# Altium PCB back3_STM32F405.PcbDoc (part 4 of 4)
Units mil, origin at the board's own origin, x right, y up, seen from the top; angles counter-clockwise.
Board outline 3543.31 x 3543.31 mil, 4 copper layers (Top Layer, GND02, PWR03, Bottom Layer), stack 29.268 mil thick; 190 components, 150 nets, 1254 pads, 520 vias.
Unrouted connection lines stored in the file: 169.
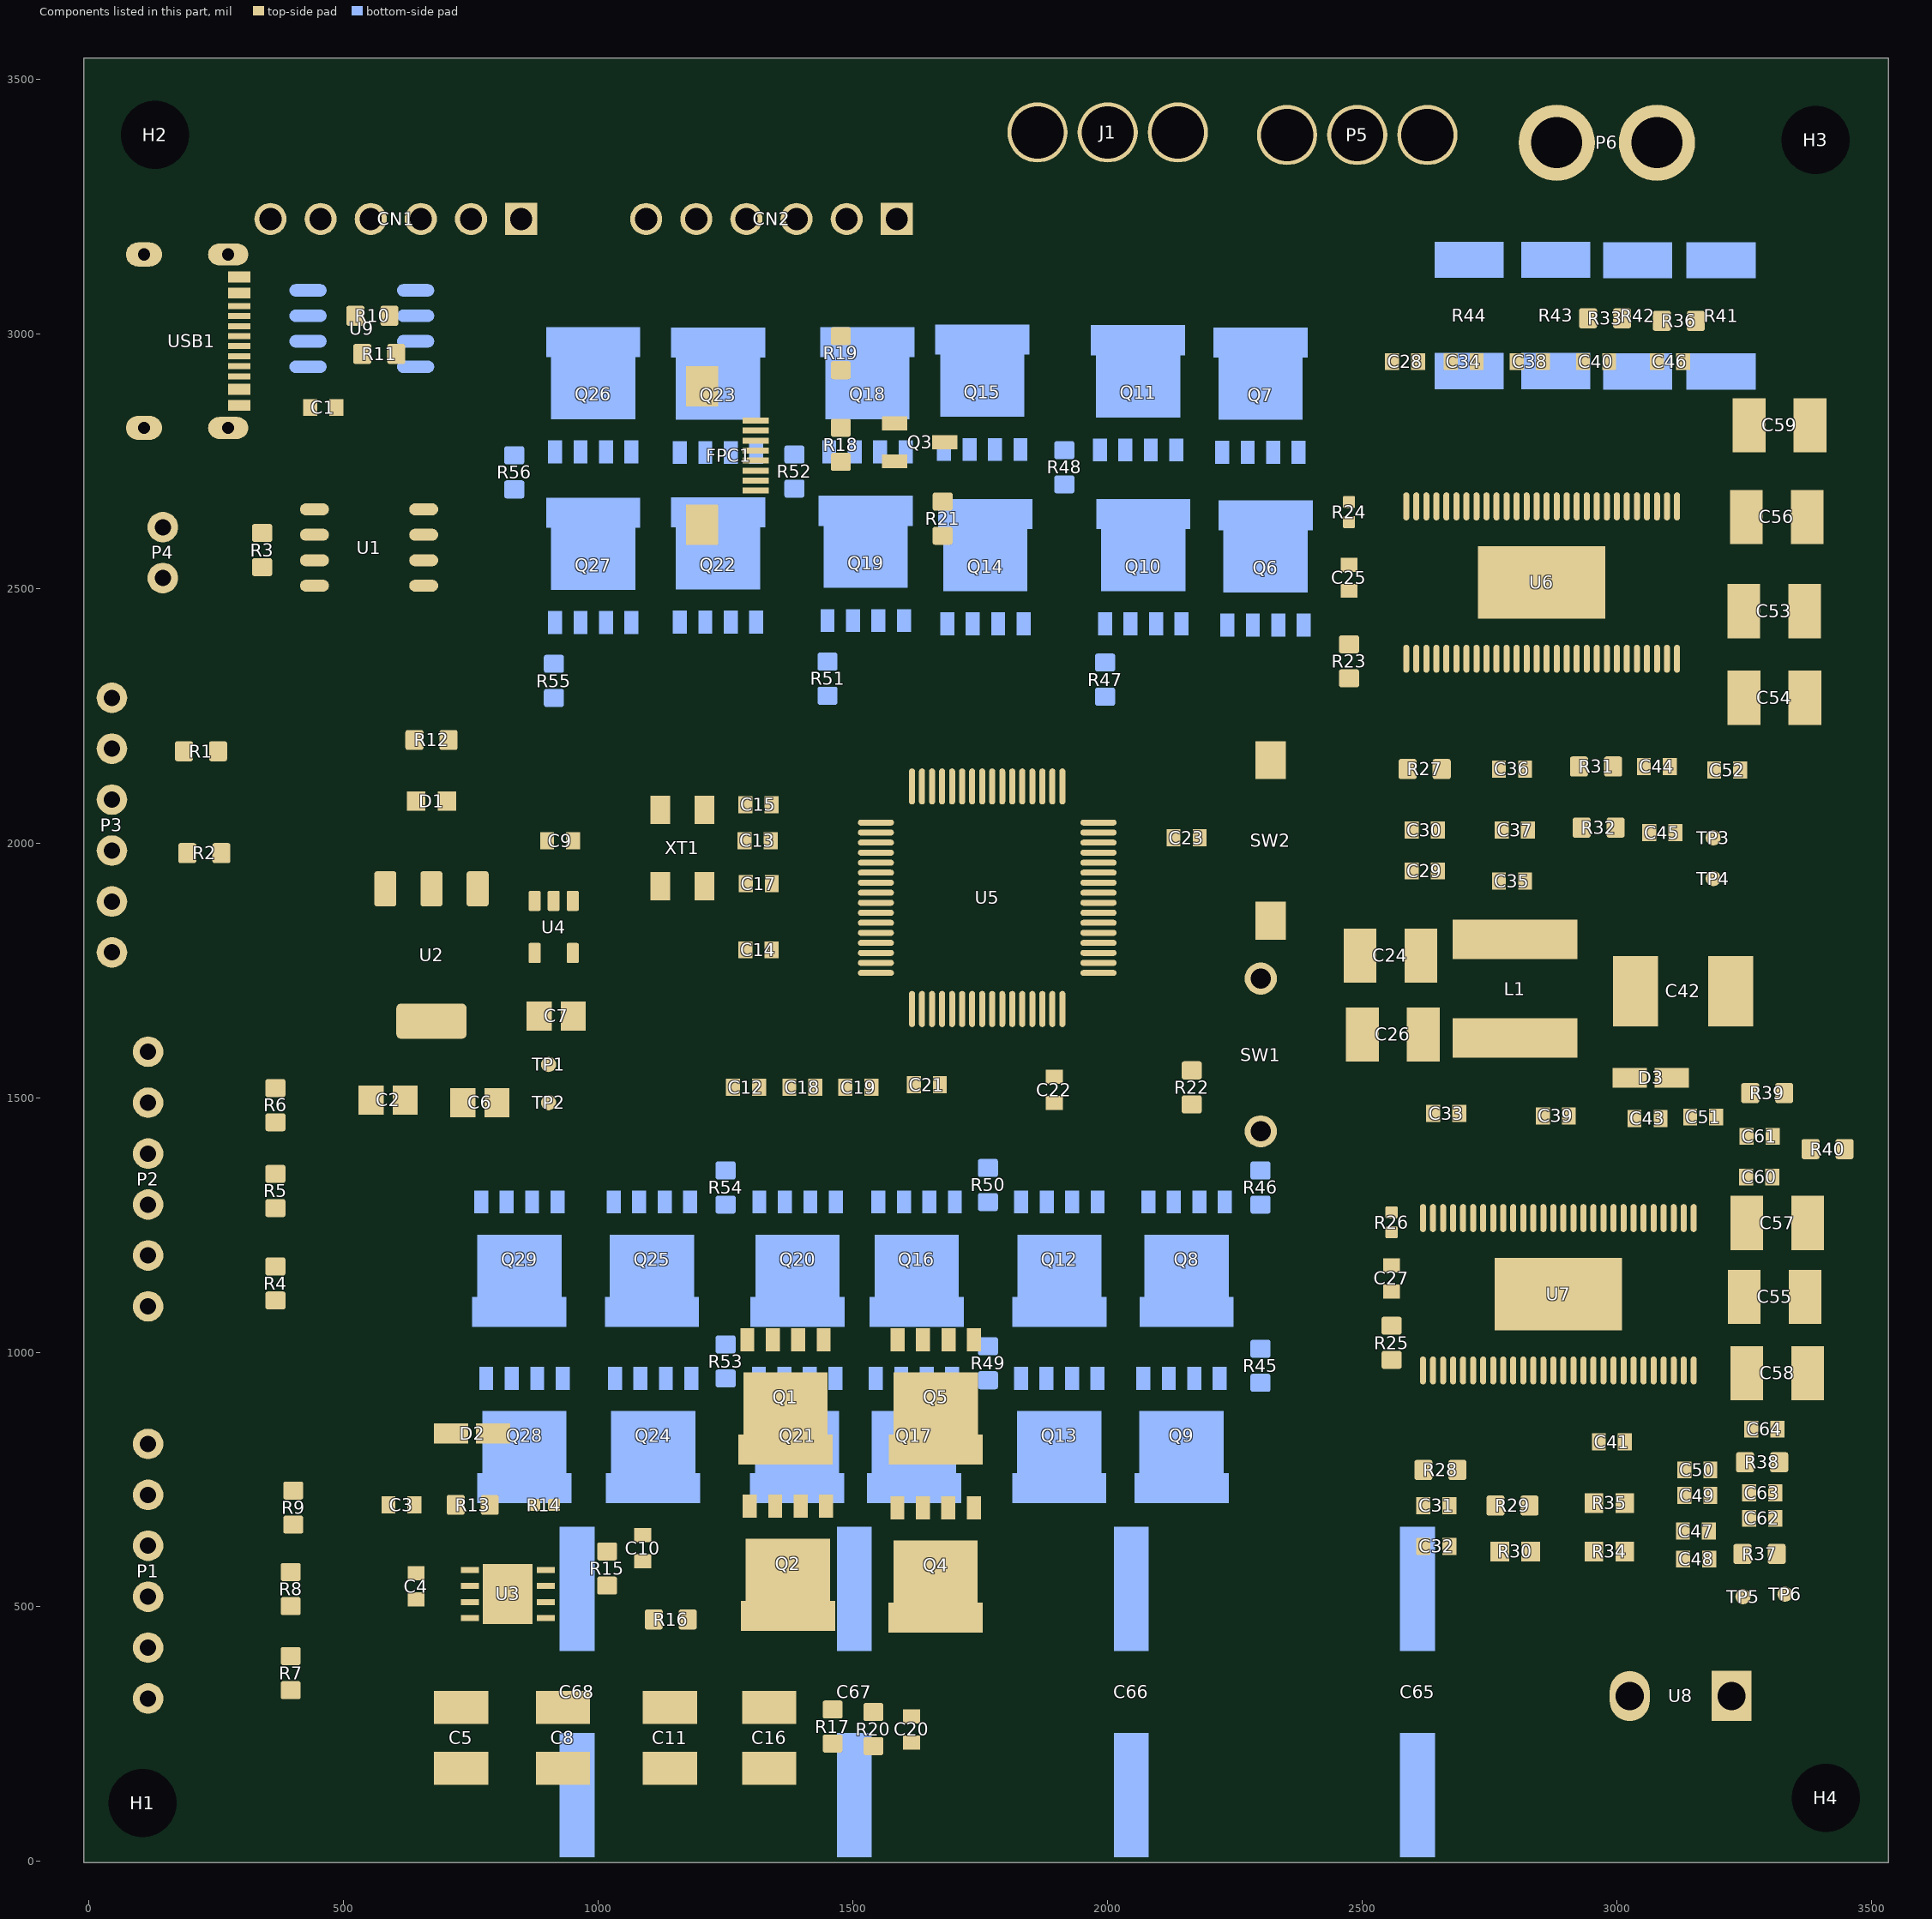
[diagram p6: the components of this part, seen from the top]

## Other copper (continued)
PWR03 (plane layer: these items are gaps in the copper):
  rectangle: 75,1055 150,1120
  lines w20: 235,1850 145,1850 135,1840 135,1765 160,1740 160,1155 200,1115 200,290 375,115 445,115 475,145 475,185 360,300 320,300 315,305 315,983.89 255,1043.89 255,1420 255,1835 240,1850 ; 2195,3410 2215,3390 ; 300,1050 300,1925 345,1970 345,2345 400,2400 690,2400 740,2450 740,3090 830,3180 2305,3180 2495,2990 3265,2990 3275,2980 3335,2980 3435,2980 3470,2945 3470,2775 3405,2710 3314.25,2710 3305,2700.75 3305,2070 3285,2050 3235,2050 3180,2105 3180,2140 3160,2160 3160,2740 3145,2755 2430,2755 2415,2740 2415,2385 2340,2310 1550,2310 1470,2230 1200,2230 1175,2255 745,2255 695,2305 565,2305 495,2235 495,1405 515,1385 2255,1385 2360,1280 2360,585 2490,455 2715,455 2810,360 2810,90 2800,80 1695,80 1520,255 535,255 475,315 475,985 410,1050 300,1050

## Silkscreen, mask and mechanical layers (free items; w line width, h text height)
Mechanical 15:
  the board outline again, w10

## Text inside footprints (layer, text, board x,y; h text height)
SW1: Mechanical 6 "1" at 2287.59,1482.77 h20